# Altium PCB PCB_121224_01AA.PcbDoc (part 1 of 2) (continued)
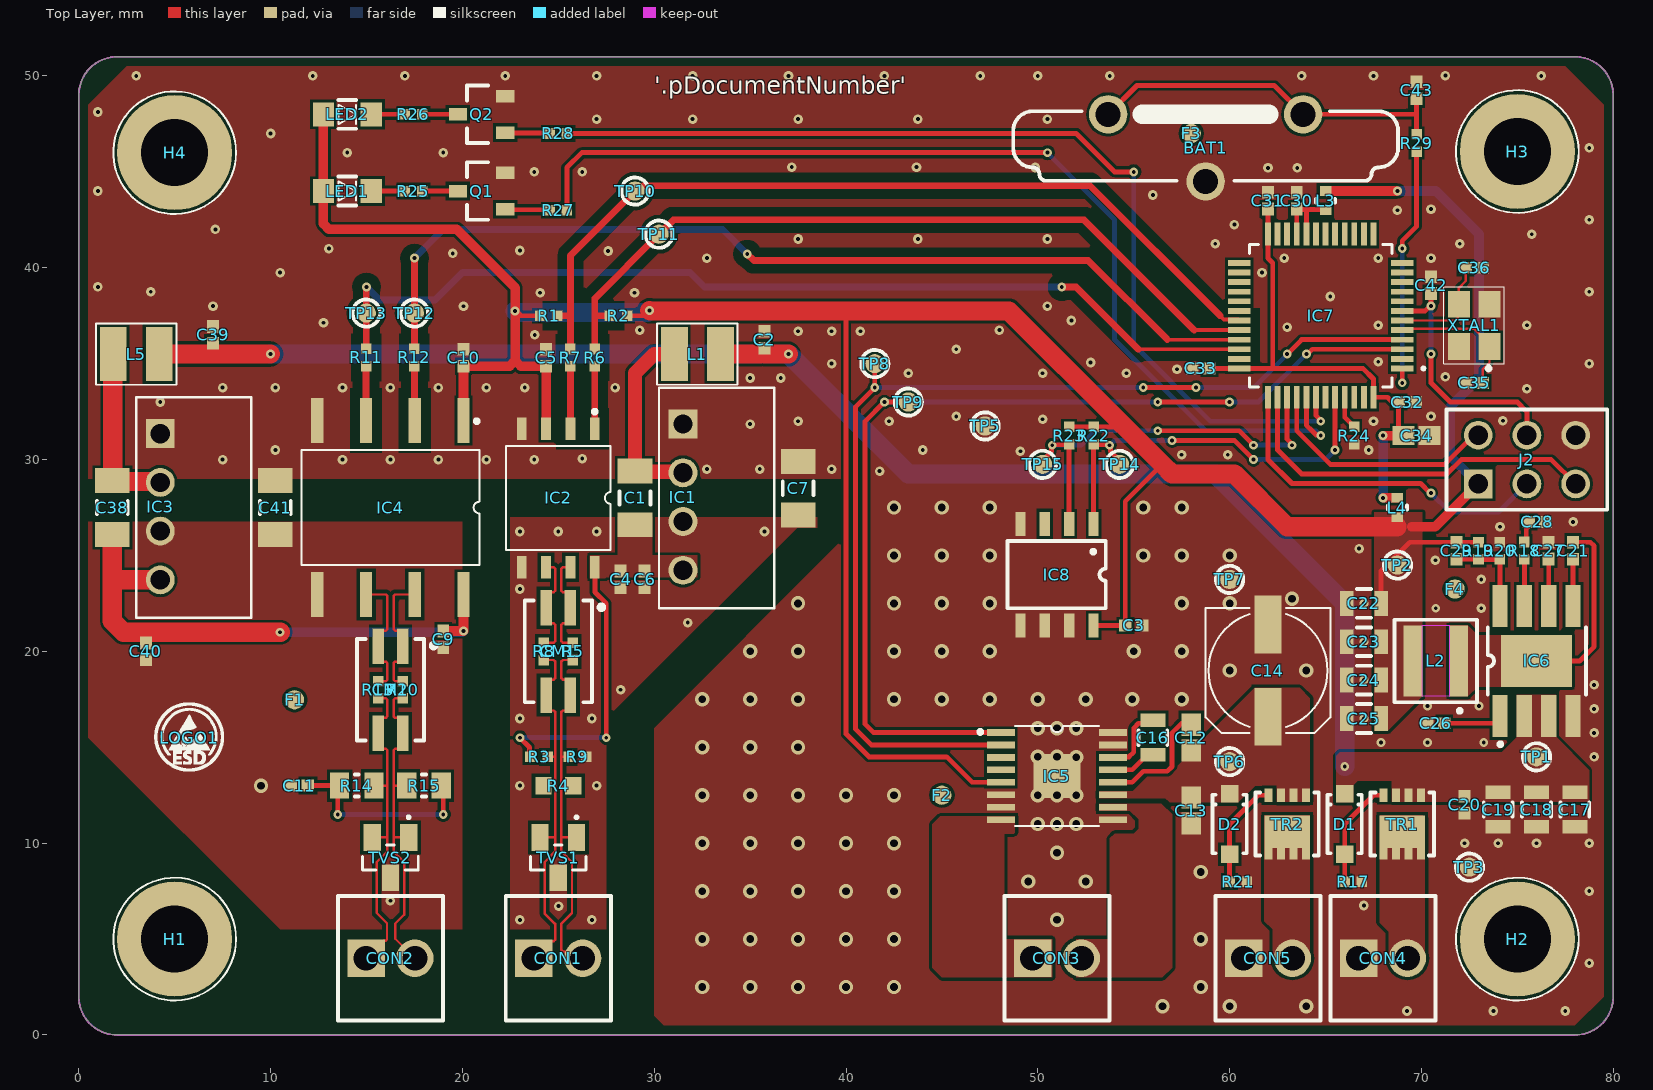
[diagram p0: Top Layer view]
## Components (designator, comment, footprint, x,y, rotation, side; value= is the part's Value field where it differs from the comment) (continued)
L1 "22uH" WE-LQ_1210 32.254,35.5 r180 top
L2 "1.5uH 5.8A" WE-MAPI_4020 70.75,19.5 r180 top value=1.5uH
L3 "110R" L0402 65,43.5 r90 top
L4 "110R" L0402 68.75,27.5 r270 top
L5 "22uH" WE-LQ_1210 3,35.5 r180 top
LED1 "LTST-C171GKT" 0805_green 14,44 r0 top
LED2 "LTST-C171KRKT" 0805_RED 14,48 r0 top
LOGO1 "ESD" ESD 5.75,15.5 r0 top
Q1 "BC847,215" SOT23-3 21,44 r180 top
Q2 "BC847,215" SOT23-3 21,48 r180 top
R1 "10K" R0402 24.5,37.5 r180 top value=10000
R2 "10K" R0402 28.135,37.5 r0 top value=10000
R3 "10K" R0402 24,14.5 r0 top value=10000
R4 "120R" R0603 25,13 r180 top value=120
R5 "0R" R0402 25.75,20 r270 top value=0
R6 "33R" R0402 26.905,35.315 r270 top value=33
R7 "33R" R0402 25.635,35.315 r270 top value=33
R8 "0R" R0402 24.25,20 r270 top value=0
R9 "10K" R0402 26,14.5 r180 top value=10000
R10 "0R" R0402 16.885,18 r270 top value=0
R11 "33R" R0402 14.98,35.325 r270 top value=33
R12 "33R" R0402 17.5,35.325 r270 top value=33
R13 "0R" R0402 15.615,18 r270 top value=0
R14 "62R" R0805 14.5,13 r0 top value=62
R15 "62R" R0805 18,13 r180 top value=62
R17 "10K" R0402 66.45,8 r180 top value=10000
R18 "10K" R0402 75.365,25.251 r270 top value=10000
R19 "68.1K" R0402 72.975,25.246 r270 top value=68100
R20 "15K" R0402 74.095,25.242 r270 top value=15000
R21 "10K" R0402 60.45,8 r180 top value=10000
R22 "10K" R0402 52.905,31.25 r90 top value=10000
R23 "10K" R0402 51.635,31.25 r90 top value=10000
R24 "10K" R0402 66.5,31.25 r90 top value=10000
R25 "1K" R0402 17.45,44 r180 top value=1000
R26 "1K" R0402 17.45,48 r180 top value=1000
R27 "10K" R0402 25,43 r0 top value=10000
R28 "10K" R0402 25,47 r0 top value=10000
R29 "10R" R0402 69.75,46.5 r270 top value=10
TP1 "TestPoint1" SMD_1mmPoint 76,14.5 r90 top
TP2 "TestPoint1" SMD_1mmPoint 68.75,24.5 r180 top
TP3 "TestPoint1" SMD_1mmPoint 72.5,8.75 r180 top
TP5 "TestPoint1" SMD_1mmPoint 47.25,31.75 r180 top
TP6 "TestPoint1" SMD_1mmPoint 60,14.25 r180 top
TP7 "TestPoint1" SMD_1mmPoint 60,23.75 r180 top
TP8 "TestPoint1" SMD_1mmPoint 41.5,35 r90 top
TP9 "TestPoint1" SMD_1mmPoint 43.25,33 r90 top
TP10 "TestPoint1" SMD_1mmPoint 29,44 r90 top
TP11 "TestPoint1" SMD_1mmPoint 30.25,41.75 r90 top
TP12 "TestPoint1" SMD_1mmPoint 17.5,37.637 r90 top
TP13 "TestPoint1" SMD_1mmPoint 14.99,37.637 r90 top
TP14 "TestPoint1" SMD_1mmPoint 54.266,29.75 r0 top
TP15 "TestPoint1" SMD_1mmPoint 50.25,29.75 r0 top
TR1 "DMP2005UFG-13" PowerDI3333-8 69,11 r180 top
TR2 "DMP2005UFG-13" PowerDI3333-8 63,11 r180 top
TVS1 "SM712.TCT" WE-TVS_SOT23-3L 25,9.25 r180 top
TVS2 "PESD2CAN,215" WE-TVS_SOT23-3L 16.25,9.25 r180 top
XTAL1 "RH100-24.000-12-1010-EXT-TR" WE-XTAL_CFPX-180 72.75,37 r90 top value=24000000

## Footprints (in the part's own frame and the unit in brackets; to place one, negate y for a bottom-side part, rotate by r counter-clockwise, add the part's x,y. Pads: shape width x height; smd on the part's side, far side on the other; paste and mask are expansions set on the pad)
"1mm Fiducial" [mm] "1mm Fiducial"
  round 1 smd mask+0: 1(0,0)
"3.5mm hole" [mm]
  round 6 hole 3.5 mask+0: 1(0,0)
  silkscreen extent -3.2,-3.2 3.2,3.2
"6mm Aliminyum Smd" [mm]
  rect 3x1.4 smd: 1(2.4,0) 2(-2.4,0)
  silkscreen extent -3.25,-3.25 3.25,3.25, body extent -3.48,-3.3 3.52,3.3, height 5.71
0805_green [mm]
  rect 1.1x1.25 smd: 1(-1.25,0) 2(1.25,0)
  silkscreen extent -0.45,-0.75 0.45,0.75, body extent -1.01,-0.62 1.01,0.62, height 1.11
0805_RED [mm]
  rect 1.1x1.25 smd: 1(-1.25,0) 2(1.25,0)
  silkscreen extent -0.45,-0.75 0.45,0.75, body extent -1.05,-0.68 1.05,0.67, height 0.92
61300621821 [mm] "Socket Header, Pitch 2.54 mm, THT, Vertical, dual row, 6p"
  rect 1.5x1.5 hole 1.02: 1(-2.54,-1.27)
  round 1.5 hole 1.02: 2(-2.54,1.27) 3(0,-1.27) 4(0,1.27) 5(2.54,-1.27) 6(2.54,1.27)
  silkscreen extent -4.19,-2.62 4.19,2.62, body extent -4.06,-2.54 4.06,2.54, height 8.45
691210910002 [mm] "2,54mm - modular - green - Horizontal wire entry - Cage clamp - 0,8mm2 wires - 02p"
  rect 1.95x1.95 hole 1.3: 1(-1.27,0)
  round 1.95 hole 1.3: 2(1.27,0)
  silkscreen extent -2.74,-3.25 2.74,3.25, body extent -2.74,-3.25 2.74,3.25, height 8.55
C0402 [mm] "Chip Capacitor, 2-Leads, Body 1.00x0.50mm, IPC Medium Density"
  rect 0.66x0.62 smd: 1(-0.44,0) 2(0.44,0)
  body extent -0.53,-0.28 0.53,0.28, height 0.55
C0603 [mm] "Chip Capacitor, 2-Leads, Body 1.60x0.80mm, IPC Medium Density"
  rect 1.15x1 smd: 1(-0.675,0) 2(0.675,0)
  body extent -0.8,-0.4 0.8,0.4, height 0.8
C0805 [mm]
  rect 0.7x1.3 smd: 1(-0.9,0) 2(0.9,0)
  silkscreen extent -0.38,-0.75 0.38,0.75, body extent -1,-0.62 1,0.62, height 0.81
C1206 [mm] "Chip Capacitor, 2-Leads, Body 3.20x1.60mm, IPC Medium Density"
  rect 1.3x1.8 smd: 1(-1.4,0) 2(1.4,0)
  silkscreen extent -0.35,-0.8 0.35,0.8, body extent -1.6,-0.8 1.6,0.8, height 1.31
CR2032V [mm]
  round 2 hole 1.3: 1(-1.75,5.08) 1(-1.75,-5.08) 2(1.75,0)
  silkscreen extent -1.91,-10.03 1.72,10.03, body extent -1.9,-10.01 1.6,10.01, height 21.02
ESD [mm]
  silkscreen extent -1.8,-1.73 1.8,1.83
HTSSOP16_4P4X5_TEX-M [mil]
  rect 57.5x14 smd paste+0 mask+0: 1(-115.25,89.57) 2(-115.25,63.98) 3(-115.25,38.39) 4(-115.25,12.8) 5(-115.25,-12.8) 6(-115.25,-38.39) 7(-115.25,-63.98) 8(-115.25,-89.57) 9(115.25,-89.57) 10(115.25,-63.98) 11(115.25,-38.39) 12(115.25,-12.8) 13(115.25,12.8) 14(115.25,38.39) 15(115.25,63.98) 16(115.25,89.57)
  rect 96.85x90.94 smd paste+0 mask+0: EPAD(0,0)
  silkscreen extent -159,-102 87,102, body extent -122,-99 122,99, height 47
L0402 [mm]
  rect 0.5x0.6 smd: 1(-0.5,0) 2(0.5,0)
  silkscreen extent -0.1,-0.5 0.1,0.5, body extent -0.5,-0.25 0.5,0.25, height 0.51
LQFP48-7X7MM [mm]
  rect 1.194x0.305 smd paste+0 mask+0: 1(-4.25,2.75) 2(-4.25,2.25) 3(-4.25,1.75) 4(-4.25,1.25) 5(-4.25,0.75) 6(-4.25,0.25) 7(-4.25,-0.25) 8(-4.25,-0.75) 9(-4.25,-1.25) 10(-4.25,-1.75) 11(-4.25,-2.25) 12(-4.25,-2.75) 25(4.25,-2.75) 26(4.25,-2.25) 27(4.25,-1.75) 28(4.25,-1.25) 29(4.25,-0.75) 30(4.25,-0.25) 31(4.25,0.25) 32(4.25,0.75) 33(4.25,1.25) 34(4.25,1.75) 35(4.25,2.25) 36(4.25,2.75)
  rect 0.305x1.194 smd paste+0 mask+0: 13(-2.75,-4.25) 14(-2.25,-4.25) 15(-1.75,-4.25) 16(-1.25,-4.25) 17(-0.75,-4.25) 18(-0.25,-4.25) 19(0.25,-4.25) 20(0.75,-4.25) 21(1.25,-4.25) 22(1.75,-4.25) 23(2.25,-4.25) 24(2.75,-4.25) 37(2.75,4.25) 38(2.25,4.25) 39(1.75,4.25) 40(1.25,4.25) 41(0.75,4.25) 42(0.25,4.25) 43(-0.25,4.25) 44(-0.75,4.25) 45(-1.25,4.25) 46(-1.75,4.25) 47(-2.25,4.25) 48(-2.75,4.25)
  silkscreen extent -5.43,-3.72 3.72,3.72, body extent -4.5,-4.5 4.5,4.5, height 1.6
PowerDI3333-8 [mm]
  rect 0.42x0.7 smd: 1(-0.975,-1.5) 1(-0.325,-1.5) 1(0.325,-1.5) 2(0.975,-1.5) 3(-0.975,1.5) 3(-0.325,1.5) 3(0.325,1.5) 3(0.975,1.5)
  rect 2.37x1.71 smd: 3(0,0.4)
  silkscreen extent -1.65,-1.65 1.65,1.65, body extent -1.65,-1.65 1.65,1.65, height 0.76
R0402 [mm] "Chip Resistor, 2-Leads, Body 1.00x0.50mm, IPC Medium Density"
  rect 0.55x0.55 smd: 1(-0.45,0) 2(0.45,0)
  body extent -0.5,-0.25 0.5,0.25, height 0.36
R0603 [mm] "Chip Resistor, 2-Leads, Body 1.60x0.80mm, IPC Medium Density"
  rect 0.85x0.9 smd: 1(-0.775,0) 2(0.775,0)
  body extent -0.8,-0.4 0.8,0.4, height 0.46
R0805 [mm] "Chip Resistor, 2-Leads, Body 2.00x1.25mm, IPC Medium Density"
  rect 1x1.35 smd: 1(-0.9,0) 2(0.9,0)
  silkscreen extent -0.1,-0.58 0.1,0.58, body extent -1,-0.63 1,0.62, height 0.61
RFM-0505S [mm] "dc-dc modul"
  rect 1.508x1.508 hole 1: 1(-3.85,-1.75)
  round 1.508 hole 1: 2(-1.31,-1.75) 3(1.23,-1.75) 4(3.77,-1.75)
  silkscreen extent -5.75,-3 5.75,3, body extent -5.75,-3.02 5.75,3.03, height 7.71
SMD_1mmPoint [mm]
  round 1 smd: 1(0,0)
  silkscreen extent -0.71,-0.71 0.71,0.71
SO08 [mm]
  rect 1.25x0.53 smd: 1(-2.65,1.905) 2(-2.65,0.635) 3(-2.65,-0.635) 4(-2.65,-1.905) 5(2.65,-1.905) 6(2.65,-0.635) 7(2.65,0.635) 8(2.65,1.905)
  silkscreen extent -1.75,-2.58 1.75,2.54, body extent -2.89,-2.45 2.89,2.45, height 1.46
"SO08 - EP1" [mm]
  rect 2.2x0.8 smd: 1(-2.87,1.905) 2(-2.87,0.635) 3(-2.87,-0.635) 4(-2.87,-1.905) 5(2.87,-1.905) 6(2.87,-0.635) 7(2.87,0.635) 8(2.87,1.905)
  rect 2.7x3.7 smd: 9(0,0)
  silkscreen extent -4.39,-2.58 1.75,2.54, body extent -2.89,-2.46 2.89,2.44, height 1.46
SOD123 [mm]
  rect 0.9x0.9 smd: 1(-1.575,0) 2(1.575,0)
  silkscreen extent -1.52,-0.89 1.52,0.9, body extent -1.95,-0.9 1.95,0.9, height 1.18
SOP254P1040X485-8N [mm]
  rect 2.34x0.64 smd: 1(-4.535,3.81) 2(-4.535,1.27) 3(-4.535,-1.27) 4(-4.535,-3.81) 5(4.535,-3.81) 6(4.535,-1.27) 7(4.535,1.27) 8(4.535,3.81)
  silkscreen extent -4.6,-4.64 3,4.64, body extent -5.21,-4.71 5.29,4.79, height 4.19
SOT23-3 [mm] "SOT23, 3-Leads, Body 2.92x2.51mm, Pitch 0.95mm, IPC Medium Density"
  rect 0.95x0.65 smd: 1(-1.235,0.95) 2(-1.235,-0.95) 3(1.235,0)
  silkscreen extent -0.34,-1.5 0.76,1.5, body extent -1.28,-1.5 1.22,1.5, height 1.11
WE-LQ_1210 [mm] "SMT Inductor, body 3.2x2.5mm"
  rect 1.4x2.8 smd: 1(-1.2,0) 2(1.2,0)
  silkscreen extent -2.1,-1.6 2.1,1.6, body extent -1.6,-1.25 1.6,1.25, height 1.99
WE-MAPI_4020 [mm] "SMT Shielded Power Inductor, body 4.1x4.1mm"
  rect 0.98x3.7 smd: 1(-1.185,0) 2(1.185,0)
  Top Layer keep-out region: -0.695,1.85 0.695,1.85 0.695,-1.85 -0.695,-1.85
  silkscreen extent -2.15,-2.15 2.15,2.7, body extent -2.05,-2.05 2.05,2.05, height 2.1
WE-SLM_L6W3.3H3.3 [mm] "SMD Inductor, 4-Leads, Body 5x3.3mm"
  rect 1.85x0.6 smd: 1(-2.275,0.635) 2(-2.275,-0.635) 3(2.275,-0.635) 4(2.275,0.635)
  silkscreen extent -2.65,-1.75 2.65,2.38, body extent -3,-1.65 3,1.65, height 3.25
WE-TVS_SOT23-3L [mm] "TVS Diode, package SOT23-3L"
  rect 0.9x1.4 smd: 1(-0.95,-1.05) 2(0.95,-1.05) 3(0,1.05)
  silkscreen extent -1.45,-2.17 1.45,0.65, body extent -1.45,-1.2 1.45,1.2, height 1.04
WE-XTAL_CFPX-180 [mm] "Quartz Crystal, size CFPX-180, body 3.4x2.7mm"
  rect 1.4x1.15 smd: 1(-1.1,-0.8) 2(1.1,-0.8) 3(1.1,0.8) 4(-1.1,0.8)
  silkscreen extent -2.35,-1.57 2,1.58, body extent -1.7,-1.35 1.7,1.35, height 0.65
"WIDE SOIC 08" [mil]
  rect 46x20 smd paste+0 mask+0: 1(-142,75) 2(-142,25) 3(-142,-25) 4(-142,-75) 5(142,-75) 6(142,-25) 7(142,25) 8(142,75)
  silkscreen extent -179,-108 107,108, body extent -159,-107 159,107, height 84

## Part data
BAT1: library part CR2032-PEN3-A10606, "CR2032 Dikey Montaj", Manufacturer=EEMB, Category=BATTERY, Manufacturer Part Number=CR2032-PEN3-A10606, Mount=THT, Purpose Of Usage=BASIC, Stock ID=??, Sub-Category="COIN CELL", Supplier 1=Ozdisan, Supplier Part Number 1=CR2032-PEN3-A10606
C1 C7 C38 C41: library part CC1206JKNPOCBN331, "330pF, 1000V,  C0G, 1206", Case Code (Metric)=3216, Case Code (Imperial)=0805, Case/Package=1206, Dielectric=C0G, Dielectric Material=Ceramic, Manufacturer=Yageo, Max Operating Temperature=125°C, Min Operating Temperature=-55°C, Supplier Part Number 1=311-3626-1-ND, Temperature Coefficient=30ppm/°C, Tolerance=5%, Voltage Rating=1000V, Category=CAPASITOR, Height=1.15mm, Local Supplier=GENERAL, Manufacturer Part Number=CC1206JKNPOCBN331, Mount=SMD, Price 10K=0.00250, Purpose Of Usage=BASIC, RoHS=YES, Stock ID=??, Sub-Category=CERAMIC, Supplier 1=Digi-Key, Voltage Rating (DC)=1000V
C2 C6 C39 C40: library part GRM155R60J106ME15D, "10uF, 6.3V, X5R, 0402", Case Code (Metric)=1005, Case Code (Imperial)=0402, Dielectric=X5R, Dielectric Material=Ceramic, Manufacturer=Murata, Max Operating Temperature=85°C, Min Operating Temperature=-55°C, Supplier Part Number 1=490-13238-1-ND, Tolerance=20%, Voltage Rating=6.3V, Case/Package=0402, Category=CAPASITOR, Local Supplier=GENERAL, Manufacturer Part Number=GRM155R60J106ME15D, Mount=SMD, Price 10K=0.00250, Purpose Of Usage=BASIC, RoHS=YES, Stock ID=??, Sub-Category=CERAMIC, Supplier 1=Digi-Key, Voltage Rating (DC)=6.3V
C3 C4 C5 C9 C10 C20 C21 C27 C30 C31 C32 C33 C42 C43: library part CC0402KRX7R6BB104, "100nF ,10V ,X7R ,0402", Case Code (Metric)=1005, Case Code (Imperial)=0402, Dielectric=X7R, Dielectric Material=Ceramic, Manufacturer=Yageo, Max Operating Temperature=125°C, Min Operating Temperature=-55°C, Supplier Part Number 1=311-1345-1-ND, Tolerance=10%, Voltage Rating=10V, Case/Package=0402, Category=CAPASITOR, Height=0.5mm, Local Supplier=GENERAL, Manufacturer Part Number=CC0402KRX7R6BB104, Mount=SMD, Price 10K=0.00250, Purpose Of Usage=BASIC, RoHS=YES, Stock ID=??, Sub-Category=CERAMIC, Supplier 1=Digi-Key, Voltage Rating (DC)=10V
C11: library part CC0402JRNPO9BN470, "47pF, 50V, NP0, 0402", Case Code (Metric)=1005, Case Code (Imperial)=0402, Dielectric=C0G, Dielectric Material=Ceramic, Manufacturer=Yageo, Max Operating Temperature=125°C, Min Operating Temperature=-55°C, Supplier Part Number 1=311-1021-2-ND, Tolerance=5%, Voltage Rating=50V, Case/Package=0402, Category=CAPASITOR, Height=0.5mm, Local Supplier=GENERAL, Manufacturer Part Number=CC0402JRNPO9BN470, Mount=SMD, Price 10K=0.00250, Purpose Of Usage=BASIC, RoHS=YES, Stock ID=??, Sub-Category=CERAMIC, Supplier 1=Digi-Key, Voltage Rating (DC)=50V
C12 C13: library part CC0603KRX7R8BB104, "100nF, 25V, X7R, 0603", Case Code (Metric)=1608, Case Code (Imperial)=0603, Dielectric=X7R, Dielectric Material=Ceramic, Manufacturer=Yageo, Max Operating Temperature=125°C, Min Operating Temperature=-55°C, Supplier Part Number 1=311-1341-1-ND, Tolerance=10%, Voltage Rating=25V, Case/Package=0603, Category=CAPASITOR, Height=0.8mm, Local Supplier=GENERAL, Manufacturer Part Number=CC0603KRX7R8BB104, Mount=SMD, Price 10K=0.00250, Purpose Of Usage=BASIC, RoHS=YES, Stock ID=??, Sub-Category=CERAMIC, Supplier 1=Digi-Key, Voltage Rating (DC)=25V
C14: library part UWX1C101MCL1GB, "100uF, 16V, ELC, 6.3mm SMD", Case Code (Imperial)="6.3 mm", Case/Package=Radial, Dielectric=Polymer, Dielectric Material=Aluminium, Manufacturer=Nichicon, Max Operating Temperature=85°C, Min Operating Temperature=-40°C, Supplier Part Number 1=493-2105-1-ND, Tolerance=20%, Voltage Rating=16V, Category=CAPASITOR, Diameter=6.3mm, Height=5.5mm, Local Supplier=GENERAL, Manufacturer Part Number=UWX1C101MCL1GB, Mount=SMD, Price 10K=0.00250, Purpose Of Usage=BASIC, RoHS=YES, Stock ID=??, Sub-Category=ALUMINUM, Supplier 1=Digi-Key, Voltage Rating (DC)=16V
C16: library part CC0805KRX7R9BB223, "22nF, 50 V, X7R, 0805", Case Code (Metric)=2012, Case Code (Imperial)=0805, Dielectric=X7R, Dielectric Material=Ceramic, Manufacturer=Yageo, Max Operating Temperature=125°C, Min Operating Temperature=-55°C, Supplier Part Number 1=311-1138-2-ND, Tolerance=10%, Voltage Rating=50V, Case/Package=0805, Category=CAPASITOR, Height=0.6mm, Local Supplier=GENERAL, Manufacturer Part Number=CC0805KRX7R9BB223, Mount=SMD, Price 10K=0.00250, Purpose Of Usage=BASIC, RoHS=YES, Stock ID=??, Sub-Category=CERAMIC, Supplier 1=Digi-Key, Voltage Rating (DC)=50V
C17 C18 C19 C22 C23 C24 C25: library part CC0805KFX7R6BB106, "10uF ,10V ,X7R ,0805", Case Code (Metric)=2012, Case Code (Imperial)=0805, Dielectric=X7R, Dielectric Material=Ceramic, Manufacturer=Yageo, Max Operating Temperature=125°C, Min Operating Temperature=-55°C, Supplier Part Number 1=13-CC0805KFX7R6BB106CT-ND, Tolerance=10%, Voltage Rating=10V, Case/Package=0805, Category=CAPASITOR, Local Supplier=GENERAL, Manufacturer Part Number=CC0805KFX7R6BB106, Mount=SMD, Price 10K=0.00250, Purpose Of Usage=BASIC, RoHS=YES, Stock ID=??, Sub-Category=CERAMIC, Supplier 1=Digi-Key, Voltage Rating (DC)=10V
C26: library part CC0402KRX7R9BB333, "33nF, 50V, X7R, 0402", Case Code (Metric)=1005, Case Code (Imperial)=0402, Dielectric=X7R, Dielectric Material=Ceramic, Manufacturer=Yageo, Max Operating Temperature=125°C, Min Operating Temperature=-55°C, Supplier Part Number 1=13-CC0402KRX7R9BB333CT-ND, Temperature Coefficient=30ppm/°C, Tolerance=10%, Voltage Rating=50V, Case/Package=0402, Category=CAPASITOR, Height=0.5mm, Local Supplier=GENERAL, Manufacturer Part Number=CC0402KRX7R9BB333, Mount=SMD, Price 10K=0.00250, Purpose Of Usage=BASIC, RoHS=YES, Stock ID=??, Sub-Category=CERAMIC, Supplier 1=Digi-Key, Voltage Rating (DC)=50V
C28: library part CC0402JRNPO9BN471, "470pF, 50V, NP0, 0402", Case Code (Metric)=1005, Case Code (Imperial)=0402, Dielectric=C0G, Dielectric Material=Ceramic, Manufacturer=Yageo, Max Operating Temperature=125°C, Min Operating Temperature=-55°C, Supplier Part Number 1=311-1671-2-ND, Tolerance=5%, Voltage Rating=50V, Case/Package=0402, Category=CAPASITOR, Height=0.5mm, Local Supplier=GENERAL, Manufacturer Part Number=CC0402JRNPO9BN471, Mount=SMD, Price 10K=0.00250, Purpose Of Usage=BASIC, RoHS=YES, Stock ID=??, Sub-Category=CERAMIC, Supplier 1=Digi-Key, Voltage Rating (DC)=50V
C29: library part CC0402JRNPO9BN121, "120pF, 50V, NP0, 0402", Case Code (Metric)=1005, Case Code (Imperial)=0402, Dielectric=C0G, Dielectric Material=Ceramic, Manufacturer=Yageo, Max Operating Temperature=125°C, Min Operating Temperature=-55°C, Supplier Part Number 1=311-3337-1-ND, Tolerance=5%, Voltage Rating=50V, Case/Package=0402, Category=CAPASITOR, Height=0.5mm, Local Supplier=GENERAL, Manufacturer Part Number=CC0402JRNPO9BN121, Mount=SMD, Price 10K=0.00250, Purpose Of Usage=BASIC, RoHS=YES, Stock ID=??, Sub-Category=CERAMIC, Supplier 1=Digi-Key, Voltage Rating (DC)=50V
C34: library part CC0603MRX7R5BB475, "4.7uF, 6.3V, X7R, 0603", Case Code (Metric)=1608, Case Code (Imperial)=0603, Dielectric=X7R, Dielectric Material=Ceramic, Manufacturer=Yageo, Max Operating Temperature=125°C, Min Operating Temperature=-55°C, Supplier Part Number 1=311-3496-6-ND, Tolerance=20%, Voltage Rating=6.3V, Case/Package=0603, Category=CAPASITOR, Local Supplier=GENERAL, Manufacturer Part Number=CC0603MRX7R5BB475, Mount=SMD, Price 10K=0.00250, Purpose Of Usage=BASIC, RoHS=YES, Stock ID=??, Sub-Category=CERAMIC, Supplier 1=Digi-Key, Voltage Rating (DC)=6.3V
C35 C36: library part CC0402JRNPO9BN180, "18pF, 50V, C0G, 0402", Case Code (Metric)=1005, Case Code (Imperial)=0402, Dielectric=C0G, Dielectric Material=Ceramic, Manufacturer=Yageo, Max Operating Temperature=125°C, Min Operating Temperature=-55°C, Supplier Part Number 1=311-1415-1-ND, Temperature Coefficient=30ppm/°C, Tolerance=5%, Voltage Rating=50V, Case/Package=0402, Category=CAPASITOR, Height=0.5mm, Local Supplier=GENERAL, Manufacturer Part Number=CC0402JRNPO9BN180, Mount=SMD, Price 10K=0.00250, Purpose Of Usage=BASIC, RoHS=YES, Stock ID=??, Sub-Category=CERAMIC, Supplier 1=Digi-Key, Voltage Rating (DC)=50V
CM1 CM2: "Data Line Filter, 2 Function(s), 80V, 0.3A, 4 Pin(s)", Manufacturer="Wurth Electronics", Supplier Part Number 1=732-1681-1-ND, Category=PROTECTION, Local Supplier="Wurth Electronics", Manufacturer Part Number=744242110, Mount=SMD, Purpose Of Usage=BASIC, RoHS=Yes, Stock ID=??, Sub-Category="FILTER-COMMON MODE", Supplier 1=Digikey
CON1 CON2 CON3 CON4 CON5: "2.54 Mm Terminal Block, Horizont", Manufacturer="Wurth Electronics", Supplier Part Number 1=732-691210910002-ND, Category=CONNECTORS, Manufacturer Part Number=691210910002, Purpose Of Usage=BASIC, RoHS=No, Stock ID=??, Sub-Category="TERMINAL BLOCK", Supplier 1=Digi-Key
D1 D2: library part MMSZ5234B-7-F, "DIODE ZENER 6.2V 500MW SOD123", Case/Package=SOD-123-2, Manufacturer=Diodes, Max Operating Temperature=150°C, Min Operating Temperature=-65°C, Supplier Part Number 1=MMSZ5234B-FDICT-ND, Category=DIODE, Element Configuration=Single, Manufacturer Part Number=MMSZ5234B-7-F, Mount=SMD, Purpose Of Usage=BASIC, RoHS=YES, Stock ID=??, Sub-Category=ZENER, Supplier 1=Digi-Key
F1 F2 F3 F4: Manufacturer=--, Manufacturer Part Number="Fiducial 2mm", Category=MECHANICAL, Mount="NO MOUNT", Purpose Of Usage=BASIC, SAP Tanım=-, Stock ID=??, Sub-Category=FIDUCIAL
H1 H2 H3 H4: "3.5mm delik", Manufacturer=--, Category=MECHANICAL, Manufacturer Part Number=--, Mount="NO MOUNT", Purpose Of Usage=BASIC, Stock ID=??, Sub-Category=HOLE
IC1 IC3: "RECOM POWER - RFM-0505S - Isolated Board Mount DC/DC Converter, ITE & General, 1 Output, 1 W, 5 V, 200 mA", Manufacturer=Recom, Supplier Part Number 1=945-3159-ND, Category=MODULE, Manufacturer Part Number=RFM-0505S, Mount=SMD, Purpose Of Usage=BASIC, RoHS=No, Stock ID=??, Sub-Category="DC-DC CONVERTERS", Supplier 1=Digi-Key
IC2: "IC Transceiver Half 1/1 8SOIC", Case/Package="WIDE SOIC", Manufacturer="Analog Devices", Max Operating Temperature=85°C, Min Operating Temperature=-40°C, Supplier Part Number 1=505-MAX22025FAWA+-ND, Category="INTEGRATED CIRCUITS", Lead Free="Lead Free", Manufacturer Part Number=MAX22025FAWA+, Mount=SMD, Purpose Of Usage=BASIC, RoHS=No, Stock ID=??, Sub-Category="RS485 DRIVER", Supplier 1=Digi-Key
IC4: "EAR99 ISO1050 Tube CANbus interface transceiver 5V 73mA 850.995985mg 74ns", Case/Package=SOP, Manufacturer="Texas Instruments", Max Operating Temperature=105°C, Max Supply Voltage=5.5V, Min Operating Temperature=-55°C, Min Supply Voltage=3V, Package Quantity=50, Supplier Part Number 1=296-33295-5-ND, Category="INTEGRATED CIRCUITS", Lead Free="Lead Free", Manufacturer Part Number=ISO1050DUB, Mount=SMD, Purpose Of Usage=BASIC, RoHS=Yes, Stock ID=??, Sub-Category="CAN DRIVER", Supplier 1=Digi-Key
IC5: "37-V, 3.5-A brushed DC motor driver 16-HTSSOP -40 to 125", Case/Package="HTSSOP - 16", Manufacturer="Texas Instruments", Max Operating Temperature=85°C, Max Supply Voltage=35V, Min Operating Temperature=-40°C, Min Supply Voltage=4.5V, Supplier Part Number 1=296-DRV8876NPWPRCT-ND, Category="INTEGRATED CIRCUITS", Lead Free="Lead Free", Manufacturer Part Number=DRV8876NPWPR, Mount=SMD, Purpose Of Usage=BASIC, RoHS=Yes, Stock ID=??, Sub-Category="MOTOR DRIVER", Supplier 1=Digikey
IC6: "Switching Regulator, Current-mode, 6A, 650kHz Switching Freq-Max, PDSO8", Case/Package="SO-08 EP", Manufacturer="Alpha & Omega Semiconductor", Max Operating Temperature=85°C, Max Supply Voltage=15.3V, Min Operating Temperature=-40°C, Min Supply Voltage=4.5V, Supplier Part Number 1=785-1854-1-ND, Category="INTEGRATED CIRCUITS", Lead Free="Lead Free", Manufacturer Part Number=AOZ6606PI, Mount=SMD, Purpose Of Usage=BASIC, RoHS=Yes, Stock ID=??, Sub-Category="PMIC - DC/DC Switching Regulator", Supplier 1=Digi-Key, Topology=BUCK
IC7: "MCU 32-bit ARM Cortex M4 RISC 128KB Flash 1.8V/2.5V/3.3V 48-Pin LQFP Tray", Case/Package=LQFP, Manufacturer=STMicroelectronics, Max Operating Temperature=85°C, Max Supply Voltage=3.6V, Min Operating Temperature=-40°C, Min Supply Voltage=1.62V, Supplier Part Number 1=497-19473-ND, Category="INTEGRATED CIRCUITS", Lead Free="Lead Free", Manufacturer Part Number=STM32G431CBT6, Mount=SMD, Purpose Of Usage=BASIC, RoHS=Yes, Stock ID=??, Sub-Category=MCU, Supplier 1=Digi-Key
IC8: "LM75 Series 5.5 V I2C Digital Temperature Sensor and Thermal Watchdog - SOIC-8", Case/Package=SOIC, Manufacturer="NXP Semiconductors", Max Operating Temperature=125°C, Min Operating Temperature=-55°C, Supplier Part Number 1=568-4688-1-ND, Category=SENSOR, Manufacturer Part Number=LM75BD,118, Mount=SMD, Purpose Of Usage=BASIC, RoHS=Yes, Stock ID=??, Sub-Category=TEMPERATURE, Supplier 1=Digi-Key
J2: "Socket Header, THT, pitch 2.54mm, Dual Row, Vertical, 6pin", Manufacturer="Wurth Electronics", Supplier Part Number 1=732-61300621821-ND, Category=CONNECTORS, Gender=Female, Manufacturer Part Number=61300621821, Orientation=Vertical, Pitch=2.54mm, Purpose Of Usage=BASIC, Stock ID=??, Sub-Category="SOCKET HEADER", Supplier 1=Digi-Key
L1 L5: library part 744032220, "General Purpose Inductor, 22uH, 10%, 1 Element, Ferrite-Core, SMD, 1210", Case/Package=1210, Manufacturer="Wurth Electronics", Max Operating Temperature=125°C, Min Operating Temperature=-40°C, Supplier Part Number 1=732-3058-1-ND, Category=INDUCTORS, Local Supplier=Würth, Manufacturer Part Number=744032220, Mount=SMD, Price 10K=0.18, Purpose Of Usage=BASIC, RoHS=YES, Stock ID=??, Sub-Category="FIXED INDUCTORS", Supplier 1=Digi-Key
L2: library part 74438356015, "Fixed Ind 1.5UH 5.8A 19 Mohm SMD", Case/Package=Nonstandard, Current Rating=5.8A, DC Resistance (DCR)=19mR, Manufacturer="Wurth Electronics", Max Operating Temperature=125°C, Min Operating Temperature=-40°C, Saturation Current=7.8A, Self Resonant Frequency=48MHz, Supplier Part Number 1=732-8230-1-ND, Test Frequency=100kHz, Tolerance=20%, Category=INDUCTORS, Length=0.161inch, Manufacturer Part Number=74438356015, Mount=SMD, Purpose Of Usage=BASIC, RMS Current (Irms)=5.8A, RoHS=YES, RoHS Compliant=Yes, Series=WE-MAPI, Shielding=Shielded, Stock ID=??, Sub-Category="FIXED INDUCTORS", Supplier 1=Digi-Key, Inductance Tolerance=20%
L3 L4: library part 74269242111, "Ferrite Bead, 0.09 Ohm, 1.2A, 0402;", Case/Package=0402, Manufacturer="Wurth Electronics", Supplier Part Number 1=732-74269242111CT-ND, Category=INDUCTORS, Manufacturer Part Number=74269242111, Mount=SMD, Purpose Of Usage=BASIC, RoHS=NO, Stock 1=18401, Stock ID=??, Sub-Category="FERRITE BEADS", Supplier 1=Digi-Key
LED1: "LED GREEN CLEAR CHIP SMD", Case/Package=0805, Color=Green, Manufacturer="Vishay Lite-On", Max Operating Temperature=85°C, Min Operating Temperature=-55°C, Supplier Part Number 1=160-1423-1-ND, Category=DIODE, Manufacturer Part Number=LTST-C171GKT, Mount=SMD, Purpose Of Usage=BASIC, RoHS=YES, Stock ID=??, Sub-Category=LED, Supplier 1=Digi-Key
LED2: "LED RED CLEAR SMD", Case/Package=0805, Color=Red, Manufacturer="Vishay Lite-On", Max Operating Temperature=85°C, Min Operating Temperature=-55°C, Supplier Part Number 1=160-1427-1-ND, Category=DIODE, Manufacturer Part Number=LTST-C171KRKT, Mount=SMD, Purpose Of Usage=BASIC, RoHS=YES, Stock ID=??, Sub-Category=LED, Supplier 1=Digi-Key
LOGO1: "ESD LOGO", Category=Logo
Q1 Q2: "TRANS NPN 45V 0.1A SOT23", Case/Package=SOT-23-3, Manufacturer=Nexperia, Max Operating Temperature=150°C, Min Operating Temperature=-55°C, Supplier Part Number 1=1727-4855-1-ND, Category=BJT, Local Supplier=OZDISAN, Manufacturer Part Number=BC847,215, Mount=SMD, Price 10K=0.021, Purpose Of Usage=BASIC, RoHS=No, Stock ID=??, Sub-Category=NPN, Supplier 1=Digi-Key
R1 R2 R3 R9 R17 R18 R21 R22 R23 R24 R27 R28: library part RC0402FR-0710KL, "10K, %1, 1/16W, 0402", Case Code (Imperial)=0402, Manufacturer=YAGEO, Max Operating Temperature=155°C, Max Power Dissipation=63mW, Min Operating Temperature=-55°C, Supplier Part Number 1=311-10.0KLRCT-ND, Temperature Coefficient=100ppm/°C, Tolerance=1%, Voltage Rating=50V, Case/Package=0402, Category=RESISTOR, Local Supplier=GENERAL, Manufacturer Part Number=RC0402FR-0710KL, Mount=SMD, Power Rating=63mW, Price 10K=0.0025, Purpose Of Usage=BASIC, RoHS=YES, Stock ID=??, Sub-Category="CHIP RESISTOR", Supplier 1=Digi-Key, Voltage Rating (DC)=50V, Working Voltage=50V
R4: library part RC0603FR-07120RL, "120R ,%1 ,1/10 W ,0603", Case Code (Imperial)=0603, Manufacturer=YAGEO, Max Operating Temperature=155°C, Max Power Dissipation=100mW, Min Operating Temperature=-55°C, Supplier Part Number 1=311-120HRCT-ND, Temperature Coefficient=100ppm/°C, Tolerance=1%, Voltage Rating=50V, Case/Package=0603, Category=RESISTOR, Local Supplier=GENERAL, Manufacturer Part Number=RC0603FR-07120RL, Mount=SMD, Power Rating=100mW, Price 10K=0.0025, Purpose Of Usage=BASIC, RoHS=YES, Stock ID=??, Sub-Category="CHIP RESISTOR", Supplier 1=Digi-Key, Voltage Rating (DC)=50V
R5 R8 R10 R13: library part RC0402FR-070RL, "0R, %1, 1/10W,  0402", Case Code (Imperial)=0402, Manufacturer=YAGEO, Max Operating Temperature=155°C, Max Power Dissipation=63mW, Min Operating Temperature=-55°C, Supplier Part Number 1=311-0.0LRCT-ND, Temperature Coefficient=200ppm/°C, Tolerance=1%, Voltage Rating=50V, Case/Package=0402, Category=RESISTOR, Local Supplier=GENERAL, Manufacturer Part Number=RC0402FR-070RL, Mount=SMD, Power Rating=63mW, Price 10K=0.0025, Purpose Of Usage=BASIC, RoHS=YES, Stock ID=??, Sub-Category="CHIP RESISTOR", Supplier 1=Digi-Key
R6 R7 R11 R12: library part RC0402JR-0733RL, "33R, %5, 1/16W ,0402", Case Code (Imperial)=0402, Manufacturer=YAGEO, Max Operating Temperature=155°C, Max Power Dissipation=63mW, Min Operating Temperature=-55°C, Supplier Part Number 1=311-33JRCT-ND, Temperature Coefficient=100ppm/°C, Tolerance=5%, Voltage Rating=50V, Case/Package=0402, Category=RESISTOR, Local Supplier=GENERAL, Manufacturer Part Number=RC0402JR-0733RL, Mount=SMD, Power Rating=63mW, Price 10K=0.0025, Purpose Of Usage=BASIC, RoHS=YES, Stock ID=??, Sub-Category="CHIP RESISTOR", Supplier 1=Digi-Key
R14 R15: library part RC0805JR-0762RL, "62R, %5, 1/8W, 0805", Case Code (Imperial)=0805, Manufacturer=YAGEO, Max Operating Temperature=155°C, Max Power Dissipation=125mW, Min Operating Temperature=-55°C, Supplier Part Number 1=311-62ARCT-ND, Temperature Coefficient=100ppm/°C, Tolerance=5%, Voltage Rating=150V, Case/Package=0805, Category=RESISTOR, Local Supplier=GENERAL, Manufacturer Part Number=RC0805JR-0762RL, Mount=SMD, Power Rating=125mW, Price 10K=0.0025, Purpose Of Usage=BASIC, RoHS=YES, Stock ID=??, Sub-Category="CHIP RESISTOR", Supplier 1=Digi-Key
R19: library part RC0402FR-0768K1L, "68.1K, %1, 1/16W, 0402", Case Code (Imperial)=0402, Manufacturer=YAGEO, Max Operating Temperature=155°C, Max Power Dissipation=63mW, Min Operating Temperature=-55°C, Power Rating=62.5mW, Supplier Part Number 1=YAG3213CT-ND, Temperature Coefficient=100ppm/°C, Tolerance=1%, Voltage Rating=50V, Case/Package=0402, Category=RESISTOR, Local Supplier=GENERAL, Manufacturer Part Number=RC0402FR-0768K1L, Mount=SMD, Price 10K=0.0025, Purpose Of Usage=BASIC, RoHS=YES, Stock ID=??, Sub-Category="CHIP RESISTOR", Supplier 1=Digi-Key, Voltage Rating (DC)=50V
R20: library part RC0402FR-0715KL, "15K, %1, 1/16W, 0402", Case Code (Imperial)=0402, Manufacturer=YAGEO, Max Operating Temperature=155°C, Max Power Dissipation=63mW, Min Operating Temperature=-55°C, Power Rating=62.5mW, Supplier Part Number 1=311-15.0KLRCT-ND, Temperature Coefficient=100ppm/°C, Tolerance=1%, Voltage Rating=50V, Case/Package=0402, Category=RESISTOR, Local Supplier=GENERAL, Manufacturer Part Number=RC0402FR-0715KL, Mount=SMD, Price 10K=0.0025, Purpose Of Usage=BASIC, RoHS=Yes, Stock ID=??, Sub-Category="CHIP RESISTOR", Supplier 1=Digi-Key, Voltage Rating (DC)=50V
R25 R26: library part RC0402FR-071KL, "1K, %1, 1/16W, 0402", Case Code (Imperial)=0402, Manufacturer=YAGEO, Max Operating Temperature=155°C, Max Power Dissipation=63mW, Min Operating Temperature=-55°C, Supplier Part Number 1=311-1.00KLRCT-ND, Temperature Coefficient=100ppm/°C, Tolerance=1%, Voltage Rating=50V, Case/Package=0402, Category=RESISTOR, Local Supplier=GENERAL, Manufacturer Part Number=RC0402FR-071KL, Mount=SMD, Power Rating=63mW, Price 10K=0.0025, Purpose Of Usage=BASIC, RoHS=YES, Stock ID=??, Sub-Category="CHIP RESISTOR", Supplier 1=Digi-Key, Voltage Rating (DC)=50V
R29: library part RC0402FR-0710RL, "10R, %1, 1/16W, 0402", Case Code (Imperial)=0402, Manufacturer=YAGEO, Max Operating Temperature=155°C, Max Power Dissipation=63mW, Min Operating Temperature=-55°C, Power Rating=62.5mW, Supplier Part Number 1=311-10.0LRTR-ND, Temperature Coefficient=200ppm/°C, Tolerance=1%, Voltage Rating=50V, Case/Package=0402, Category=RESISTOR, Local Supplier=GENERAL, Manufacturer Part Number=RC0402FR-0710RL, Mount=SMD, Price 10K=0.0025, Purpose Of Usage=BASIC, RoHS=YES, Stock ID=??, Sub-Category="CHIP RESISTOR", Supplier 1=Digi-Key, Voltage Rating (DC)=50V, Working Voltage=50V
TP1 TP2 TP3 TP5 TP6 TP7 TP8 TP9 TP10 TP11 TP12 TP13 TP14 TP15: "test ölçüm noktası", Manufacturer="NO BOM DEVICE", Category=CONNECTORS, Manufacturer Part Number="NO BOM DEVICE", Purpose Of Usage=BASIC, Stock ID=??, Sub-Category="TEST POINT"
TR1 TR2: "20V P-channel Enhancement Mode Mosfet, 20V Vds, 10±V Vgs", Case/Package=DI3333-8, Manufacturer=Diodes, Max Operating Temperature=150°C, Max Power Dissipation=2.2W, Min Operating Temperature=-55°C, Supplier Part Number 1=31-DMP2005UFG-13CT-ND, Category=MOSFETs, Manufacturer Part Number=DMP2005UFG-13, Mount=SMD, Polarity=P-CHANNEL, Purpose Of Usage=BASIC, RoHS=Yes, Stock ID=??, Sub-Category=P-CHANNEL, Supplier 1=Digi-Key
TVS1: "SM Series 12 V 400 W Asymmetrical TVS Diode for Extended Common-Mode - SOT-23", Breakdown Voltage=13.3V, Case/Package=SOT-23, Clamping Voltage=26V, Clamping Voltage-Max=12V, Leakage Current=1uA, Manufacturer=Semtech, Max Operating Temperature=125°C, Max Power Dissipation=400W, Max Reverse Leakage Current=20uA, Min Breakdown Voltage=7.5V, Min Operating Temperature=-55°C, Peak Pulse Current=17A, Supplier Part Number 1=SM712CT-ND, Category=PROTECTION, Direction=Bidirectional, ESD Protection=Yes, Lead Free="Lead Free", Length=2.9mm, Local Supplier=GENERAL, Manufacturer Part Number=SM712.TCT, Max Breakdown Voltage=13.3V, Mount=SMD, Mounting Technology="Surface Mount", Number of Bidirectional Channels=2, Number of Channels=2NUMBER, Number of Elements=2, Peak Pulse Power=400W, Pins=3, Polarity=Bidirectional, Power Dissipation=400W, Power Rating=400W, Price 10K=0.5, Purpose Of Usage=BASIC, RoHS=Yes, Stock ID=??, Sub-Category="TVS - BI DIRECTIONAL", Supplier 1=Digikey, Voltage Rating (DC)=12V, Working Voltage=12V
TVS2: "PESD Series 2 Channel Bi-Directional CAN Bus ESD Protection Diode - SOT-23", Case/Package=SOT-23, Manufacturer="Nexperia USA", Supplier Part Number 1=1727-3891-2-ND, Category=PROTECTION, Local Supplier=GENERAL, Manufacturer Part Number=PESD2CAN,215, Mount=SMD, Purpose Of Usage=BASIC, RoHS=No, Stock ID=??, Sub-Category="TVS - BI DIRECTIONAL", Supplier 1=Digikey
XTAL1: "Crystal, 24Mhz, 12Pf, Smd, 3.2Mm X 2.5Mm Rohs Compliant: Yes", Case/Package="3.2 x 2.4", Manufacturer="Raltron Electronics", Max Operating Temperature=+85, Min Operating Temperature=-40, Supplier Part Number 1=2151-RH100-24.000-12-1010-EXT-TRCT-ND, Category=OSCILATOR, Manufacturer Part Number=RH100-24.000-12-1010-EXT-TR, Mount=SMD, Purpose Of Usage=BASIC, RoHS=No, Stock=6000, Stock ID=??, Sub-Category=CRYSTAL, Supplier=Digikey, Supplier 1=Digi-Key

## Via types
v1: diameter 0.5, hole 0.2, Top Layer to Bottom Layer, tented both sides, 157 vias
v2: diameter 0.75, hole 0.4, Top Layer to Bottom Layer, tented both sides, 88 vias
v3: diameter 0.46, hole 0.2, Top Layer to Bottom Layer, tented both sides, 53 vias

## Nets (pads, with @x,y where several pads share a name; then routed paths per layer and width w, separated by ;. In a path a pad name is that pad's centre, name@x,y a point inside that pad or via, vN(x,y) a via of type N, cw(c..) or ccw(c..) an arc to the next point about the centre after c; other vN are vias at no path point)
+3V3: C3.2 C5.2 C10.2 C22.2 C23.2 C24.2 C25.2 C29.2 IC2.3 IC4.1 IC5.5 IC8.8 J2.1 L2.2 L3.2 L4.2 LED1.1 LED2.1 R1.2 R2.2 R19.1 R22.2 R23.2 TP2.1 | length 165.2
  Top Layer w0.254: v3(22.75,37.75) 22.806,37.75 23.056,37.5 R1.2@24.05,37.5 ; R2.2@28.585,37.5 29.419,37.5 29.694,37.775 v3(29.75,37.775) ; 40,37.75 40,15.7 41.2,14.5 45.25,14.5 46.575,13.175 IC5.5@48.073,13.175 ; R23.2@51.635,31.7 R22.2@52.905,31.7 54.25,31.7 54.395,31.846 ; IC8.8@52.905,21.35 C3.2@54.317,21.35 ; C3.2@54.5,21.533 C3.2@54.317,21.35 ; 56.491,29.75 54.56,27.819 C3.2@54.56,21.35 C3.2@54.317,21.35 ; C22.2@67.9,22.5 67.9,24.19 69.397,25.688 C29.2@71.831,25.688 71.835,25.692 72.971,25.692 R19.1@72.975,25.696 R19.1@73.116,25.837
  Top Layer w0.5: LED2.1@12.75,48 LED1.1@12.75,44 12.75,42.293 13.043,42 19.71,42 22.75,38.96 v3(22.75,37.75) 22.75,35.158 ; IC4.1@20.06,32.035 C10.2@20.06,34.865 22.457,34.865 22.75,35.158 ; IC2.3@24.365,31.607 C5.2@24.365,34.865 23.043,34.865 22.75,35.158 ; L3.2@65,44 v3(68.75,44) ; 69.5,26.5 70.73,26.5 J2.1@72.96,28.73
  Top Layer w1: v3(29.75,37.775) 29.775,37.75 40,37.75 48.491,37.75 54.395,31.846 56.491,29.75 56.991,29.25 60.25,29.25 63,26.5 68.72,26.5
  Bottom Layer w0.5: v3(68.75,44) 70.75,44 73,41.75 73,34.25 71.5,32.75 71.5,30.19 J2.1@72.96,28.73
  Bottom Layer w1: v3(22.75,37.75) 22.825,37.675 29.65,37.675 v3(29.75,37.775)
+5V: C2.2 C17.2 C18.2 C19.2 C20.2 C39.2 D1.2 IC6.2 IC6.3 L1.1 L5.1 TP1.1 TR1.1 | length 78.7
  Top Layer w1: L5.1@4.2,35.5 v3(10,35.5) ; L1.1@33.454,35.5 C2.2@35.5,35.5 ; C2.2@35.75,35.5 v3(37,35.5)
  Bottom Layer w1: v3(10,35.5) 36.75,35.5 ; v3(37,35.5) 43.25,29.25 59.25,29.25 66,22.5 v3(66,14)
+12V: C12.2 C13.2 C14.1 D2.2 IC5.11 TP6.1 TR2.1
BOOT0: IC7.45 R24.2 | length 1.8
  Top Layer w0.254: IC7.45@66,33.25 66,32.2 R24.2@66.5,31.7
CAN__N: CM2.2 IC4.6 R13.1 | length 6.6
  Top Layer w0.125: IC4.6@14.98,22.965 16.013,22.965 16.086,22.892 16.086,22.448 16.086,22.414 16.086,21.154 16.013,21.081 15.852,21.081 15.615,20.843 CM2.2@15.615,20.275 15.615,19.707 15.852,19.469 16.013,19.469 16.086,19.396 16.086,18.523 16.013,18.45 R13.1@15.615,18.45
CAN__P: CM2.1 IC4.7 R10.1 | length 6.6
  Top Layer w0.125: R10.1@16.885,18.45 16.487,18.45 16.414,18.523 16.414,19.396 16.487,19.469 16.648,19.469 16.885,19.707 CM2.1@16.885,20.275 16.885,20.843 16.648,21.081 16.487,21.081 16.414,21.154 16.414,22.278 16.414,22.584 16.414,22.892 16.487,22.965 IC4.7@17.52,22.965
CAN_N: CM2.3 CON2.1 R13.2 R14.2 TVS2.2 | length 17
  Top Layer w0.125: CON2.1@14.98,4 15.892,4.913 15.997,4.913 16.07,4.986 16.07,5.822 15.534,6.358 15.534,9.01 16.086,9.562 16.086,10.3 ; TVS2.2@15.3,10.3 16.086,10.3 ; R14.2@15.4,13 16.086,13 ; R13.2@15.615,17.55 16.013,17.55 16.086,17.477 16.086,16.604 16.013,16.531 15.852,16.531 15.615,16.293 CM2.3@15.615,15.725 15.615,15.157 15.852,14.919 16.013,14.919 16.086,14.846 16.086,13 ; 16.086,10.3 16.086,13
CAN_P: CM2.4 CON2.2 R10.2 R15.2 TVS2.1 | length 16.9
  Top Layer w0.125: R10.2@16.885,17.55 16.487,17.55 16.414,17.477 16.414,16.604 16.487,16.531 16.648,16.531 16.885,16.293 CM2.4@16.885,15.725 16.885,15.157 16.648,14.919 16.487,14.919 16.414,14.846 16.414,13 ; R15.2@17.1,13 16.414,13 ; TVS2.1@17.2,10.3 16.414,10.3 ; CON2.2@17.52,4 16.499,5.021 16.499,5.811 16.966,6.277 16.966,9.01 16.414,9.562 16.414,10.3 ; 16.414,10.3 16.414,13
CAN_RX: IC7.33 R12.1 TP12.1 | length 50.7
  Top Layer w0.2: 56.75,36.25 IC7.33@60.5,36.25
  Top Layer w0.355: R12.1@17.5,35.775 TP12.1@17.5,37.637 v3(17.5,40.5) ; v3(34.85,40.725) 35.2,40.375 52.625,40.375 56.75,36.25
  Bottom Layer w0.355: v3(17.5,40.5) 19,42 33.575,42 v3(34.85,40.725)
CAN_TX: IC7.34 R11.1 TP13.1 | length 51.3
  Top Layer w0.2: 55.25,35.75 IC7.34@60.5,35.75
  Top Layer w0.355: R11.1@14.98,35.775 14.99,35.785 TP13.1@14.99,37.637 14.99,38.99 v3(15,39) ; v3(51.25,39) 52,39 55.25,35.75
  Bottom Layer w0.355: v3(15,39) 15.01,39 15.685,38.325 18.575,38.325 20,39.75 31.876,39.75 32.626,39 v3(51.25,39)